# Altium PCB PCB1.PcbDoc (part 1 of 2) (continued)
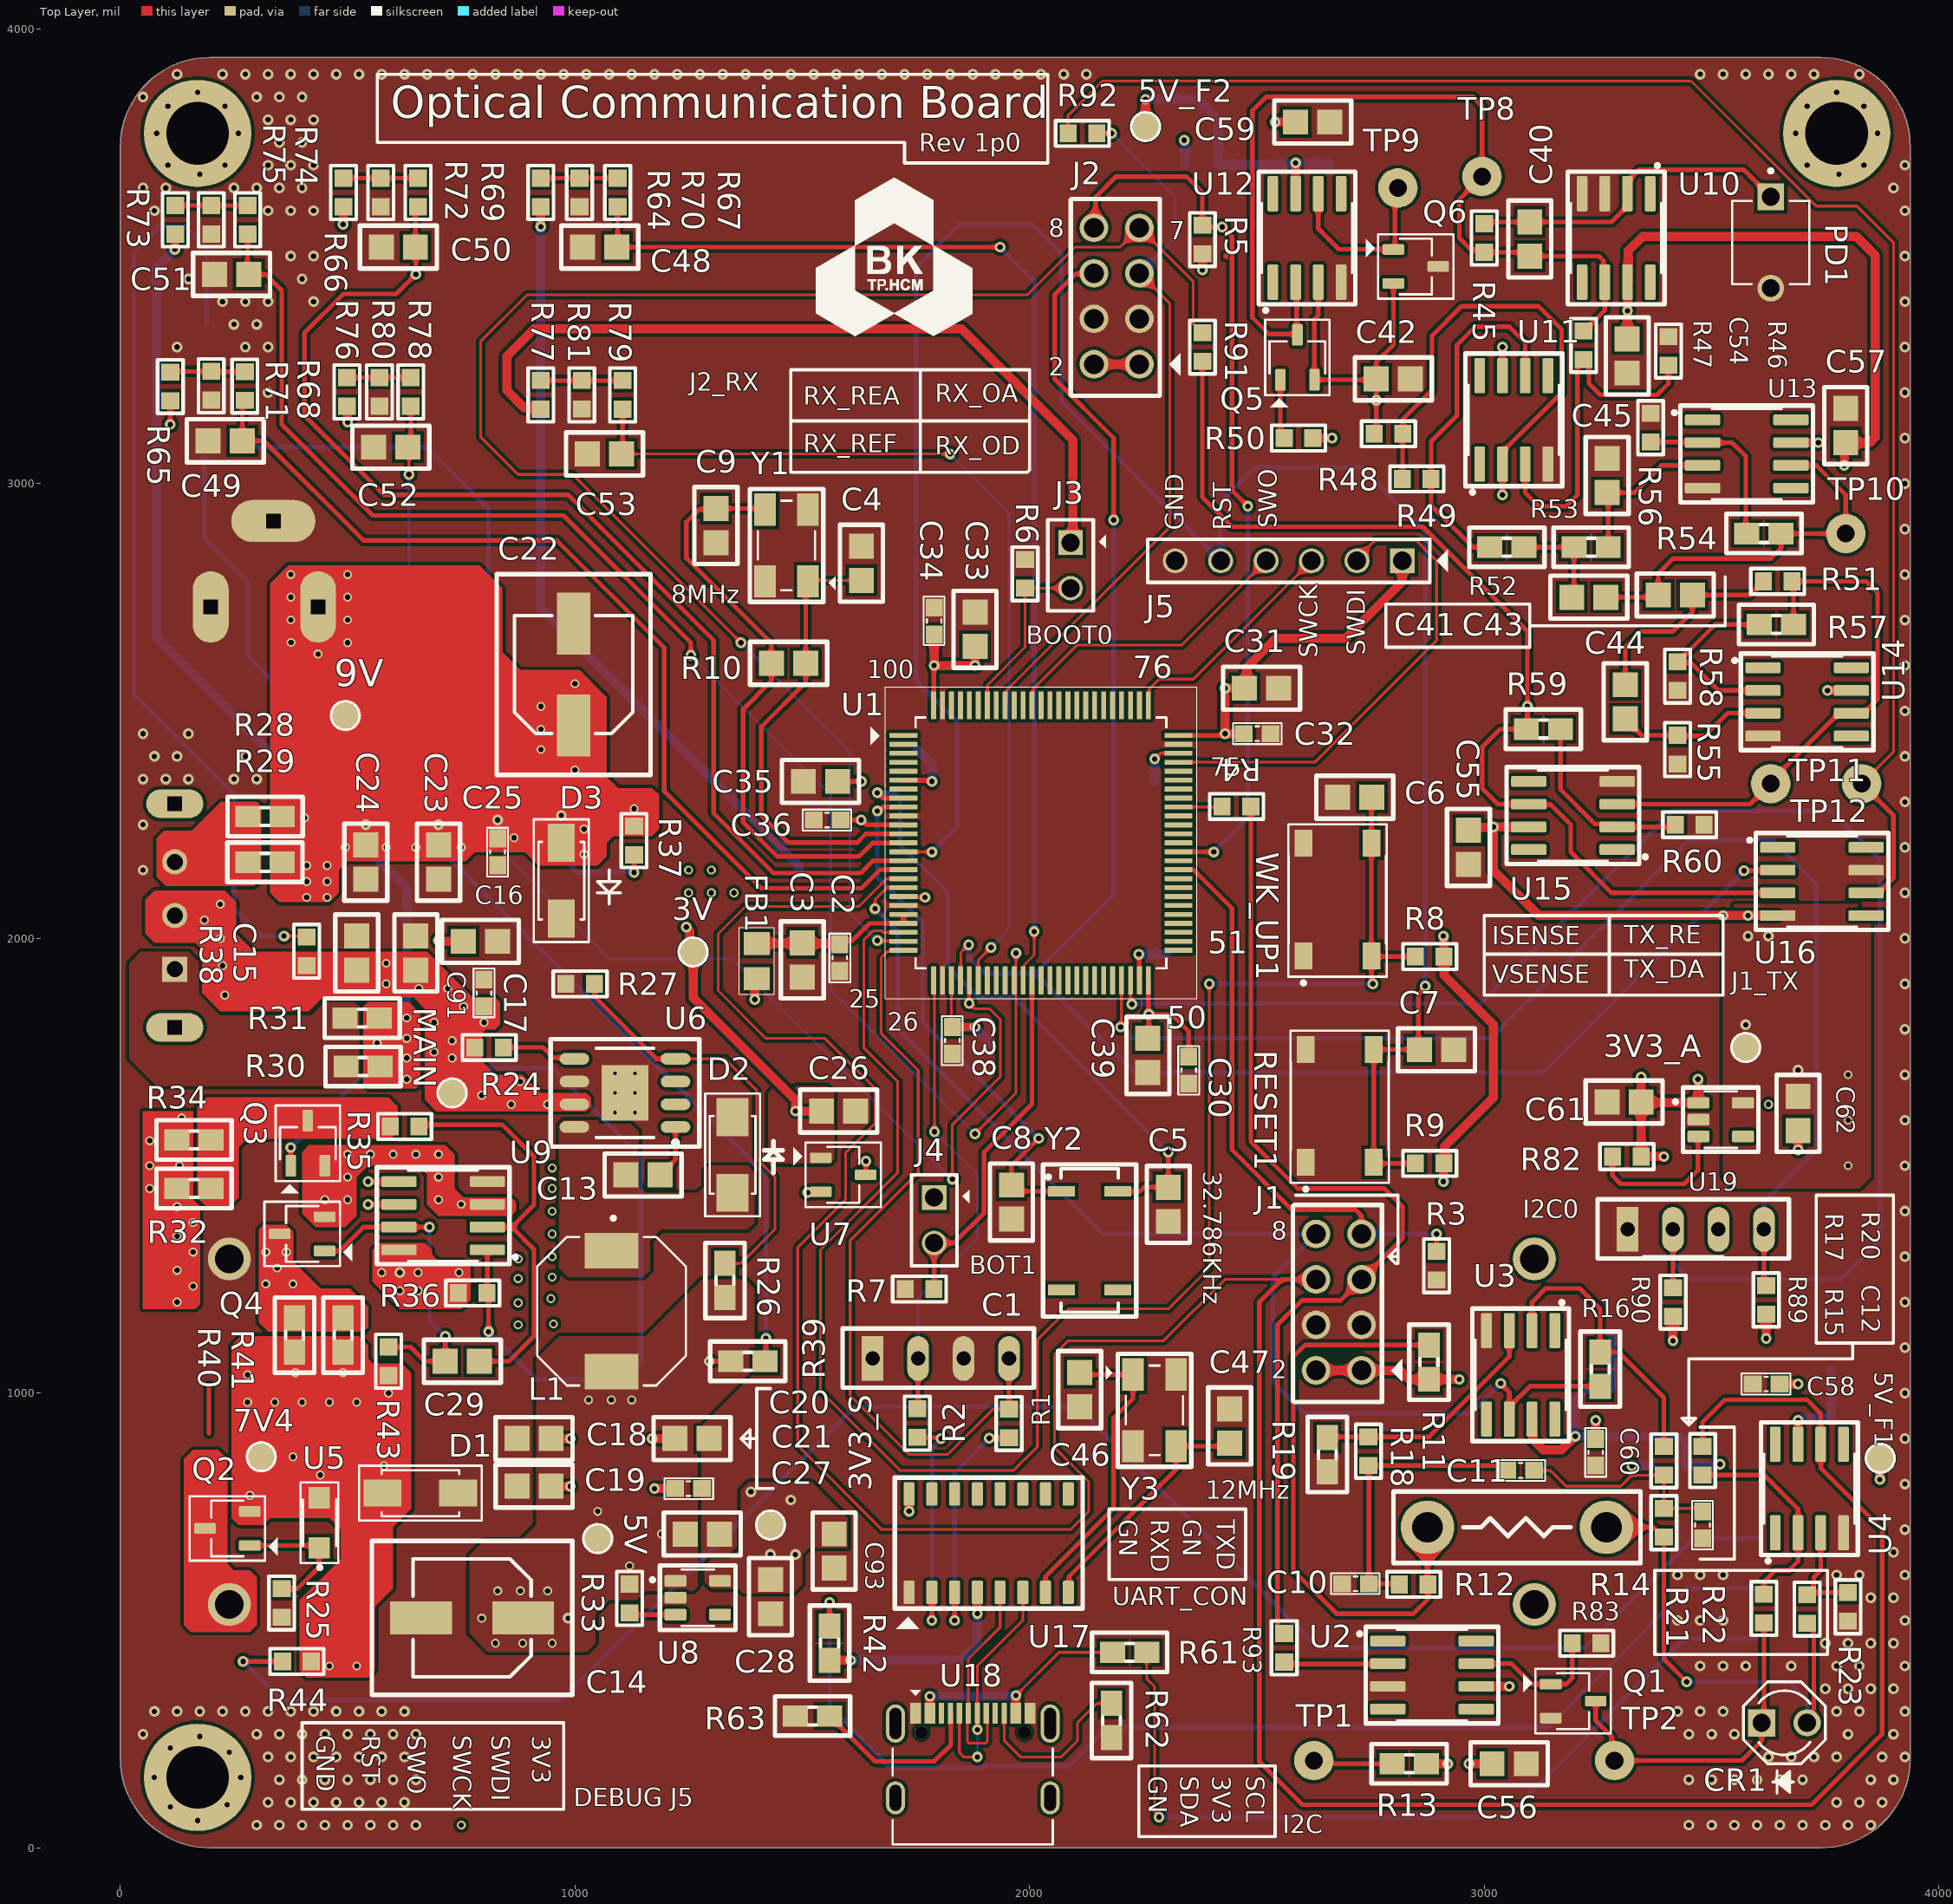
[diagram p0: Top Layer view]
## Components (designator, comment, footprint, x,y, rotation, side; value= is the part's Value field where it differs from the comment)
3V "TEST_POINT" Test_point 1260,1970 r90 top value=N/A
3V3_A "TEST_POINT" Test_point 3575,1760 r90 top value=N/A
3V3_S "TEST_POINT" Test_point 1430,710 r90 top value=N/A
5V "TEST_POINT" Test_point 1050,680 r90 top value=N/A
5V_F1 "TEST_POINT" Test_point 3870.85,856.69 r90 top value=N/A
5V_F2 "TEST_POINT" Test_point 2255,3785 r90 top value=N/A
7V4 "TEST_POINT" Test_point 310,860 r0 top value=N/A
9V "TEST_POINT" Test_point 495,2490 r0 top value=N/A
BAT1 "Dual_Battery_Case" Dual_BAT_PCB 1673.87,918.08 r0 bottom value=N/A
C1 "CONNECTOR_4" CON-4 1654.65,1075.89 r90 top value=CON-4
C2 "10uF" "CAPCER 0603 SMD" 1582.5,1957.5 r270 top
C3 "1uF" "CAPCER 0805 SMD" 1500,1952.4 r270 top
C4 "22uF" "CAPCER 0805 SMD" 1630,2824.7 r270 top value=22pF
C5 "12pF" "CAPCER 0805 SMD" 2305,1415 r270 top
C6 "0.1uF" "CAPCER 0805 SMD" 2715.11,2310.07 r0 top
C7 "0.1uF" "CAPCER 0805 SMD" 2895,1755 r180 top
C8 "12pF" "CAPCER 0805 SMD" 1960,1420 r270 top
C9 "22uF" "CAPCER 0805 SMD" 1310,2907.6 r90 top value=22pF
C10 "2.2uF" "CAPCER 0603 SMD" 2716.78,580.83 r180 top
C11 "2.2uF" "CAPCER 0603 SMD" 3080,830 r0 top
C12 "2.2uF" "CAPCER 0603 SMD" 3480,710 r270 top
C13 "0.01uF" "CAPCER 0805 SMD" 1149.96,1479.65 r180 top
C14 "330uF" "CAP ALU 6377" 773.88,505.71 r180 top
C15 "0.1uF" "CAPCER 0805 SMD" 520,1967.6 r90 top
C16 "22uF" "CAPCER 0805 SMD" 791.89,1993.35 r0 top
C17 "10uF" "CAPCER 0603 SMD" 800,1879.53 r90 top
C18 "0.1uF" "CAPCER 0805 SMD" 910,900 r180 top
C19 "0.1uF" "CAPCER 0805 SMD" 910,795.51 r180 top
C20 "22uF" "CAPCER 0805 SMD" 1257.6,900 r0 top
C21 "10uF" "CAPCER 0603 SMD" 1250,790 r0 top
C22 "330uF" "CAP ALU 6377" 997,2580 r90 top
C23 "0.1uF" "CAPCER 0805 SMD" 700,2167.6 r270 top
C24 "1uF" "CAPCER 0805 SMD" 540,2167.6 r270 top
C25 "10uF" "CAPCER 0603 SMD" 830,2190 r270 top
C26 "1uF" "CAPCER 0805 SMD" 1580,1620 r0 top
C27 "1uF" "CAPCER 0805 SMD" 1280,690 r0 top
C28 "1uF" "CAPCER 0805 SMD" 1430,552.4 r270 top
C29 "0.1uF" "CAPCER 0805 SMD" 752.4,1070 r180 top
C30 "10uF" "CAPCER 0603 SMD" 2350,1710 r270 top
C31 "1uF" "CAPCER 0805 SMD" 2510,2550 r0 top
C32 "10uF" "CAPCER 0603 SMD" 2500.47,2450 r0 top
C33 "1uF" "CAPCER 0805 SMD" 1880,2679.53 r90 top
C34 "10uF" "CAPCER 0603 SMD" 1790,2697.6 r90 top
C35 "1uF" "CAPCER 0805 SMD" 1540,2345 r180 top
C36 "10uF" "CAPCER 0603 SMD" 1555,2260 r180 top
C37 "1uF" "CAPCER 0805 SMD" 1953.04,1768.28 r0 bottom
C38 "10uF" "CAPCER 0603 SMD" 1830,1775.47 r270 top
C39 "1uF" "CAPCER 0805 SMD" 2260,1742.6 r270 top
C40 "1pF" "CAPCER 0805 SMD" 3100,3537.6 r270 top
C41 "0.1uF" "CAPCER 0805 SMD" 3230,2750 r0 top
C42 "Tụ Gốm 0603 10nF 50V" "CAPCER 0805 SMD" 2800,3230 r0 top value=10nF
C43 "0.1uF" "CAPCER 0805 SMD" 3420,2755 r0 top
C44 "0.1uF" "CAPCER 0805 SMD" 3310,2520 r270 top
C45 "0.1uF" "CAPCER 0805 SMD" 3270,3017.6 r270 top
C46 "22pF" "CAPCER 0805 SMD" 2110,1007.6 r90 top
C47 "22pF" "CAPCER 0805 SMD" 2440,927.6 r270 top
C48 "Tụ Gốm 0603 10nF 50V" "CAPCER 0805 SMD" 1054.63,3519.76 r180 top value=10nF
C49 "Tụ Gốm 0603 10nF 50V" "CAPCER 0805 SMD" 230.92,3094 r180 top value=10nF
C50 "Tụ Gốm 0603 10nF 50V" "CAPCER 0805 SMD" 611.58,3519.76 r180 top value=10nF
C51 "Tụ Gốm 0603 10nF 50V" "CAPCER 0805 SMD" 244.91,3459.76 r180 top value=10nF
C52 "Tụ Gốm 0603 10nF 50V" "CAPCER 0805 SMD" 595,3080 r180 top value=10nF
C53 "Tụ Gốm 0603 10nF 50V" "CAPCER 0805 SMD" 1065,3065 r180 top value=10nF
C54 "1uF" "CAPCER 0805 SMD" 3314.36,3280.61 r270 top
C55 "1uF" "CAPCER 0805 SMD" 2965,2200 r270 top
C56 "1uF" "CAPCER 0805 SMD" 3054.72,185 r0 top
C57 "1uF" "CAPCER 0805 SMD" 3795,3127.6 r90 top
C58 "10uF" "CAPCER 0603 SMD" 3620,1020 r180 top value=1uF
C59 "1uF" "CAPCER 0805 SMD" 2622.6,3795 r0 top
C60 "10uF" "CAPCER 0603 SMD" 3245,870 r270 top value=1uF
C61 "1uF" "CAPCER 0805 SMD" 3307.4,1640 r180 top
C62 "1uF" "CAPCER 0805 SMD" 3690,1615 r270 top
C70 "1uF" "CAPCER 0805 SMD" 1715,2415 r180 bottom
C80 "2.2uF" "CAPCER 0603 SMD" 2330,1965 r180 bottom
C81 "2.2uF" "CAPCER 0603 SMD" 2275,2315 r90 bottom
C85 "10uF" "CAPCER 0805 SMD" 3802.4,945 r0 bottom
C86 "0.1uF" "CAPCER 0805 SMD" 3800,1050 r0 bottom
C87 "10uF" "CAPCER 0805 SMD" 3320,1015 r0 bottom
C88 "0.1uF" "CAPCER 0805 SMD" 3320,1119.49 r0 bottom
C89 "10uF" "CAPCER 0805 SMD" 2660,3665 r270 bottom
C90 "0.1uF" "CAPCER 0805 SMD" 2520,3665 r270 bottom
C91 "1uF" "CAPCER 0805 SMD" 650,1967.6 r90 top
C93 "0.1uF" "CAPCER 0805 SMD" 1570,652.6 r270 top
CR1 "LED IR 940nm" TSAL6100 3610,275 r0 top value=940nm
D1 "SMAJ12A" DO-214AC#1 660,780 r180 top value="12V 19.9V"
D2 "SS54" DO-214AC#2 1346.69,1523.63 r270 top value="SS54 - 5A"
D3 "SMAJ12A" DO-214AC#1 970,2126.73 r90 top value="12V 19.9V"
FB1 "120R@100kHz" "FB 0805" 1400,1950 r90 top
FB2 "120R@100kHz" "FB 0805" 3405,840 r0 bottom
FB3 "120R@100kHz" "FB 0805" 2380,3700 r0 bottom
I2C0 "CONNECTOR_4" CON-4 3315,1360 r90 top value=CON-4
J1 "HD_2X4_M_V" HD_2X4_2P54_M_V 2730,1050 r90 top value=2.54mm
J2 "HD_2X4_M_V" HD_2X4_2P54_M_V 2241.5,3262.29 r90 top value=2.54mm
J3 "CONNECTOR_2" CON-2 2090,2870 r180 top value=CON-2
J4 "CONNECTOR_2" CON-2 1790,1430 r180 top value=CON-2
J5 "CONNECTOR_6" CON-6 2820,2830 r180 top value=CON-6
J6 "9V 1A" PW_JACK_DC_5525 336.76,2728.69 r0 bottom
L1 "10uH" IND_8D43 1080.53,1180.1 r270 top
MAIN "TEST_POINT" Test_point 730,1660 r90 top value=N/A
PD1 "BPW34" DIP-2 3630,3530 r270 top
PW_3V3_S0 "LED_RED" "LED 0805 SMD" 3635,570 r180 bottom value=3.3V
PW_5VS0 "LED_RED" "LED 0805 SMD" 185,3115 r270 bottom value=5V
PW_IN0 "LED_RED" "LED 0805 SMD" 300,3115.43 r270 bottom value=5V
PW_IN_BU0 "LED_RED" "LED 0805 SMD" 3635,680 r180 bottom value=VBAT
PW_MAIN0 "LED_RED" "LED 0805 SMD" 190,3315.43 r90 bottom value=5V
PW_USB0 "LED_RED" "LED 0805 SMD" 3634.57,460 r180 bottom value=5V
Q1 "NMOS" SOT23-3 3195.48,322.62 r0 top value=LN2302LT1G
Q2 "AO3407A" SOT23-3 235.59,702.4 r180 top
Q3 "AO3407A" SOT23-3 412.6,1549.41 r90 top
Q4 "AO3407A" SOT23-3 400,1350 r180 top
Q5 "SS8050" SOT23-3 2589.02,3277.5 r90 top
Q6 "SS8550" SOT23-3 2849.41,3477.4 r0 top
R1 "0R" "RESC 0603(1608) SMD" 1954.64,933.15 r270 top value=0KR
R2 "0R" "RESC 0603(1608) SMD" 1752.84,933.89 r270 top value=0KR
R3 "12KR" "RESC 0603(1608) SMD" 2895,1280 r90 top
R4 "22R" "RESC 0603(1608) SMD" 2455,2290 r0 top
R5 "12KR" "RESC 0603(1608) SMD" 2380,3536.5 r90 top
R6 "10KR" "RESC 0603(1608) SMD" 1990,2801.5 r270 top
R7 "10KR" "RESC 0603(1608) SMD" 1757.72,1228.89 r0 top
R8 "10KR" "RESC 0603(1608) SMD" 2880,1960 r0 top
R9 "10KR" "RESC 0603(1608) SMD" 2880,1505 r0 top
R10 "Điện Trở 1 MOhm 0805 1%" "CAPCER 0805 SMD" 1469.95,2604.95 r0 top value=1MR
R11 "36R" "RESC 0805 SMD" 2878.33,1068.1 r270 top
R12 "10R" "RESC 0603(1608) SMD" 2844.78,579.26 r180 top
R13 "30.9KR" "RESC 0805 SMD" 2834.8,185 r180 top
R14 "5mR" RS_P10_D1P5 3268.7,705 r180 top
R15 "10R" "RESC 0603(1608) SMD" 3395,715 r90 top
R16 "560KR" "RESC 0805 SMD" 3255,1052.6 r270 top
R17 "10KR" "RESC 0603(1608) SMD" 3395,851 r90 top
R18 "10KR" "RESC 0603(1608) SMD" 2745.03,872.16 r90 top
R19 "560KR" "RESC 0805 SMD" 2654.72,864.67 r90 top
R20 "100KR" "RESC 0603(1608) SMD" 3480,851.5 r90 top
R21 "100KR" "RESC 0603(1608) SMD" 3615,526.5 r90 top
R22 "100KR" "RESC 0603(1608) SMD" 3710,525 r90 top
R23 "100KR" "RESC 0603(1608) SMD" 3800,530 r90 top
R24 "10KR" "RESC 0603(1608) SMD" 811.5,1760 r0 top
R25 "10KR" "RESC 0603(1608) SMD" 355,538.5 r90 top
R26 "30.9KR" "RESC 0805 SMD" 1330,1247.6 r270 top
R27 "10KR" "RESC 0603(1608) SMD" 1011.5,1900 r0 top
R28 "0R" "RESC 0805 SMD" 318.48,2267.8 r180 top
R29 "0R" "RESC 0805 SMD" 318.22,2167.19 r180 top
R30 "0R" "RESC 0805 SMD" 534.19,1718.03 r180 top
R31 "0R" "RESC 0805 SMD" 532.16,1824.65 r180 top
R32 "0R" "RESC 0805 SMD" 162.4,1450 r0 top
R33 "10KR" "RESC 0603(1608) SMD" 1120,548.5 r90 top
R34 "0R" "RESC 0805 SMD" 162.4,1556.61 r0 top
R35 "1KR" "RESC 0603(1608) SMD" 625.59,1586.37 r180 top
R36 "10KR" "RESC 0603(1608) SMD" 775,1220 r180 top
R37 "680R" "RESC 0603(1608) SMD" 1130,2215 r270 top
R38 "680R" "RESC 0603(1608) SMD" 410,1971.5 r90 top
R39 "330R" "RESC 0805 SMD" 1380,1070 r0 top
R40 "0R" "RESC 0805 SMD" 383.39,1127.6 r90 top
R41 "0R" "RESC 0805 SMD" 490,1127.6 r90 top
R42 "330R" "RESC 0805 SMD" 1560,450 r90 top
R43 "10KR" "RESC 0603(1608) SMD" 590,1070 r270 top
R44 "680R" "RESC 0603(1608) SMD" 388.5,410 r180 top
R45 "470KR" "RESC 0603(1608) SMD" 3000,3540 r270 top
R46 "100KR" "RESC 0603(1608) SMD" 3405,3291.5 r90 top
R47 "100KR" "RESC 0603(1608) SMD" 3218.4,3303.77 r270 top
R48 "100KR" "RESC 0603(1608) SMD" 2789.25,3109.25 r0 top
R49 "100KR" "RESC 0603(1608) SMD" 2851.5,3010 r0 top
R50 "10KR" "RESC 0603(1608) SMD" 2591.5,3100 r180 top
R51 "15KR" "RESC 0603(1608) SMD" 3645,2785 r0 top
R52 "68R" "RESC 0805 SMD" 3049.65,2860 r0 top
R53 "68R" "RESC 0805 SMD" 3235,2860 r0 top
R54 "5.6KR" "RESC 0805 SMD" 3615,2890 r0 top
R55 "15KR" "RESC 0603(1608) SMD" 3425,2415 r90 top
R56 "10KR" "RESC 0603(1608) SMD" 3365.67,3122.96 r270 top
R57 "5.6KR" "RESC 0805 SMD" 3642.4,2690 r0 top
R58 "10KR" "RESC 0603(1608) SMD" 3425,2576.5 r90 top
R59 "560KR" "RESC 0805 SMD" 3130,2460 r180 top
R60 "100KR" "RESC 0603(1608) SMD" 3451.5,2250 r180 top
R61 "330R" "RESC 0805 SMD" 2220,430 r0 top
R62 "5.1KR" "RESC 0805 SMD" 2180,280 r90 top
R63 "5.1KR" "RESC 0805 SMD" 1522.4,290 r0 top
R64 "10KR" "RESC 0603(1608) SMD" 925,3640 r270 top
R65 "22KR" "RESC 0603(1608) SMD" 110.11,3213.33 r270 top
R66 "22KR" "RESC 0603(1608) SMD" 491,3640 r270 top
R67 "100R" "RESC 0603(1608) SMD" 1093.86,3640 r270 top
R68 "100R" "RESC 0603(1608) SMD" 274.01,3214.24 r270 top
R69 "100R" "RESC 0603(1608) SMD" 655,3640 r270 top
R70 "20KR" "RESC 0603(1608) SMD" 1010,3640 r90 top
R71 "10KR" "RESC 0603(1608) SMD" 200,3215 r90 top
R72 "10KR" "RESC 0603(1608) SMD" 573,3640 r90 top
R73 "22KR" "RESC 0603(1608) SMD" 121,3580 r270 top
R74 "100R" "RESC 0603(1608) SMD" 280,3580 r270 top
R75 "10KR" "RESC 0603(1608) SMD" 200,3580 r90 top
R76 "10KR" "RESC 0603(1608) SMD" 498.5,3201.5 r270 top
R77 "10KR" "RESC 0603(1608) SMD" 925,3195 r270 top
R78 "100R" "RESC 0603(1608) SMD" 639,3201.5 r270 top
R79 "100R" "RESC 0603(1608) SMD" 1105,3195 r270 top
R80 "10KR" "RESC 0603(1608) SMD" 570,3201.5 r90 top
R81 "20KR" "RESC 0603(1608) SMD" 1015,3195 r90 top
R82 "10KR" "RESC 0603(1608) SMD" 3313.5,1520 r0 top
R83 "10KR" "RESC 0603(1608) SMD" 3225,450 r180 top
R86 "0R-dni" "RESC 0603(1608) SMD" 2790,3110 r180 bottom value=0KR
R89 "10KR" "RESC 0603(1608) SMD" 3620,1205 r270 top
R90 "10KR" "RESC 0603(1608) SMD" 3415,1200 r270 top
R91 "0R" "RESC 0603(1608) SMD" 2380,3300 r90 top value=0KR
R92 "0R" "RESC 0603(1608) SMD" 2116.06,3769.87 r0 top value=0KR
R93 "0R" "RESC 0603(1608) SMD" 2560,440 r90 top value=0KR
RESET1 "BUTTON" BUTTON_SMD 2683.13,1631.46 r90 top value=N/A
SW1 "SW 2A" SLIDE-SW 120,2050 r90 bottom value=SW-2A
TP1 "TEST POINT" TP_THT_1P0 2625,191.94 r0 top value=TP
TP2 "TEST POINT" TP_THT_1P0 3286.42,191.94 r0 top value=TP
TP8 "TEST POINT" TP_THT_1P0 2995,3675 r90 top value=TP
TP9 "TEST POINT" TP_THT_1P0 2810,3650 r90 top value=TP
TP10 "TEST POINT" TP_THT_1P0 3795,2890 r90 top value=TP
TP11 "TEST POINT" TP_THT_1P0 3630,2340 r180 top value=TP
TP12 "TEST POINT" TP_THT_1P0 3830,2340 r90 top value=TP
U1 "STM32F407VET6" 100LQFP 2030,2190 r0 top value=N/A
U2 "TC4427AEOA" 8-SOIC-OPA 2885,380 r0 top
U3 "OPA188AID" 8-SOIC-OPA 3080,1040 r270 top
U4 "OPA188AID" 8-SOIC-OPA 3715,790 r90 top
U5 "BZT52H" SOD-123F 437.69,714.7 r90 top value=12V
U6 "TPS5430DDAR" 8-SOIC 1110,1660 r180 top value=TPS5430DDR
U7 "BAT54C" SOT23-3 1590,1480 r0 top
U8 "RT9013" SOT-23-5 1270,550 r0 top
U9 "LM393DT" 8-SOIC-OPA 710,1390 r180 top
U10 "OPA380AID" 8-SOIC-OPA 3290,3540 r270 top
U11 "OPA350UA" 8-SOIC-OPA 3065,3140 r90 top
U12 "OPA188AID" 8-SOIC-OPA 2610,3540 r90 top value=OPA188
U13 "OPA350UA" 8-SOIC-OPA 3577.24,3065 r0 top
U14 "OPA350UA" 8-SOIC-OPA 3710,2520 r0 top
U15 "OPA350UA" 8-SOIC-OPA 3195,2270 r180 top
U16 "OPA350UA" 8-SOIC-OPA 3742.76,2125 r0 top
U17 "CH340G" SOP-16 1910,670 r90 top
U18 "USB_TYPE_C" TYPEC-16POS 1875,110 r0 top value=USB_C
U19 "RT9013" SOT-23-5 3520,1601.22 r0 top
VBAT1 "HOL CR2032" "HOLDER BAT" 913.94,2141.39 r180 bottom value="CR2032 3V"
WK_UP1 "BUTTON" BUTTON_SMD 2678,2085 r90 top value=N/A
Y1 "XTAL_8Mhz" XTAL_5032 1465.26,2863.83 r180 top value=8MHZ
Y2 "XTAL_32.786K" 4-SOJ 2132.01,1335.47 r0 top value=32.7680KHZ
Y3 "XTAL_12Mhz" XTAL_5032 2274.74,962.12 r0 top value=12MHZ

## Footprints (in the part's own frame and the unit in brackets; to place one, negate y for a bottom-side part, rotate by r counter-clockwise, add the part's x,y. Pads: shape width x height; smd on the part's side, far side on the other; paste and mask are expansions set on the pad)
4-SOJ [mm]
  rect 1.5x0.6 smd: 1(-1.575,2.75) 2(-1.575,-2.75) 3(1.575,-2.75) 4(1.575,2.75)
  silkscreen extent -2.6,-4.25 2.6,4.25, body extent -1.85,-4 1.85,4, height 2.54
8-SOIC [mm] "SOIC, 8-Leads, Body 4.90x3.90mm, Pitch 1.27mm, Thermal Pad 3.10x2.60mm, IPC Low Density"
  oval 1.65x0.65 smd: 1(-2.825,1.905) 2(-2.825,0.635) 3(-2.825,-0.635) 4(-2.825,-1.905) 5(2.825,-1.905) 6(2.825,-0.635) 7(2.825,0.635) 8(2.825,1.905)
  rect 2.6x3.1 smd: 9(0,0)
  silkscreen extent -4.15,-3 4.15,3, body extent -3,-2.5 3,2.5, height 1.7
8-SOIC-OPA [mm]
  rrect25% 1.97x0.6 smd: 1(-2.47,1.905) 2(-2.47,0.635) 3(-2.47,-0.635) 4(-2.47,-1.905) 5(2.47,-1.905) 6(2.47,-0.635) 7(2.47,0.635) 8(2.47,1.905)
  silkscreen extent -4.14,-2.7 3.7,2.7, body extent -3,-2.45 3,2.45, height 1.75
100LQFP [mm]
  rrect25% 1.56x0.28 smd: 1(-7.807,6.508) 2(-7.807,6.008) 3(-7.807,5.508) 4(-7.807,5.008) 5(-7.807,4.508) 6(-7.807,4.008) 7(-7.807,3.508) 8(-7.807,3.008) 9(-7.807,2.508) 10(-7.807,2.008) 11(-7.807,1.508) 12(-7.807,1.008) 13(-7.807,0.508) 14(-7.807,0.008) 15(-7.807,-0.492) 16(-7.807,-0.992) 17(-7.807,-1.492) 18(-7.807,-1.992) 19(-7.807,-2.492) 20(-7.807,-2.992) 21(-7.807,-3.492) 22(-7.807,-3.992) 23(-7.807,-4.492) 24(-7.807,-4.992) 25(-7.807,-5.492) 51(7.553,-5.492) 52(7.553,-4.992) 53(7.553,-4.492) 54(7.553,-3.992) 55(7.553,-3.492) 56(7.553,-2.992) 57(7.553,-2.492) 58(7.553,-1.992) 59(7.553,-1.492) 60(7.553,-0.992) 61(7.553,-0.492) 62(7.553,0.008) 63(7.553,0.508) 64(7.553,1.008) 65(7.553,1.508) 66(7.553,2.008) 67(7.553,2.508) 68(7.553,3.008) 69(7.553,3.508) 70(7.553,4.008) 71(7.553,4.508) 72(7.553,5.008) 73(7.553,5.508) 74(7.553,6.008) 75(7.553,6.508)
  rrect25% 0.28x1.56 smd: 26(-6.127,-7.172) 27(-5.627,-7.172) 28(-5.127,-7.172) 29(-4.627,-7.172) 30(-4.127,-7.172) 31(-3.627,-7.172) 32(-3.127,-7.172) 33(-2.627,-7.172) 34(-2.127,-7.172) 35(-1.627,-7.172) 36(-1.127,-7.172) 37(-0.627,-7.172) 38(-0.127,-7.172) 39(0.373,-7.172) 40(0.873,-7.172) 41(1.373,-7.172) 42(1.873,-7.172) 43(2.373,-7.172) 44(2.873,-7.172) 45(3.373,-7.172) 46(3.873,-7.172) 47(4.373,-7.172) 48(4.873,-7.172) 49(5.373,-7.172) 50(5.873,-7.172) 76(5.873,8.188) 77(5.373,8.188) 78(4.873,8.188) 79(4.373,8.188) 80(3.873,8.188) 81(3.373,8.188) 82(2.873,8.188) 83(2.373,8.188) 84(1.873,8.188) 85(1.373,8.188) 86(0.873,8.188) 87(0.373,8.188) 88(-0.127,8.188) 89(-0.627,8.188) 90(-1.127,8.188) 91(-1.627,8.188) 92(-2.127,8.188) 93(-2.627,8.188) 94(-3.127,8.188) 95(-3.627,8.188) 96(-4.127,8.188) 97(-4.627,8.188) 98(-5.127,8.188) 99(-5.627,8.188) 100(-6.127,8.188)
  silkscreen extent -9.65,-8.2 8.58,9.22, body extent -8.13,-7.49 7.87,8.51, height 1.6
BUTTON_SMD [mm]
  rect 1.5x1 smd: 1(-3.15,1.925) 1(3.15,1.925) 2(-3.15,-1.875) 2(3.15,-1.875)
  silkscreen extent -4.75,-2.72 4.2,2.78, body extent -3.3,-2.47 3.3,2.53, height 1.52
"CAP ALU 6377" [mm] "Aluminum Electrolytic Capacitor, Body 6.60x6.60x7.70mm, IPC Low Density"
  rect 3.45x1.85 smd: 1(-2.85,0) 2(2.85,0)
  silkscreen extent -5.6,-4.3 5.6,4.3, body extent -3.8,-3.3 3.8,3.3, height 7.7
"CAPCER 0603 SMD" [mm]
  rect 1x0.95 smd mask+0.076: 1(-0.75,0) 2(0.75,0)
  silkscreen extent -1.35,-0.58 1.37,0.58, body extent -0.8,-0.4 0.8,0.4, height 0.9
"CAPCER 0805 SMD" [mm]
  rect 1.4x1.4 smd: 1(-0.955,0) 2(0.955,0)
  silkscreen extent -2.15,-1.2 2.15,1.2, body extent -1,-0.64 1,0.64, height 1.25
CON-2 [mm]
  rect 1.37x1.37 hole 1.02: 01(0,0)
  round 1.37 hole 1.02: 02(0,2.54)
  silkscreen extent -1.97,-1.27 1.27,3.81, body extent -1.27,-1.27 1.27,3.81, height 10.62
CON-4 [mm]
  rect 2.5x1.2 hole 0.8: 1(0,0)
  oval 2.5x1.2 hole 0.8: 2(0,-2.54) 3(0,-5.08) 4(0,-7.62)
  round 1.016 on Top Overlay: ""(2.311,0.178)
  silkscreen extent -1.63,-9.02 1.68,1.68, body extent -1.14,-8.76 1.4,1.4, height 8.55
CON-6 [mm]
  rect 1.39x1.39 / inner round 1.39 / far side rect 1.39x1.39 hole 1.04: 01(0,0)
  round 1.39 hole 1.04: 02(2.54,0) 03(5.08,0) 04(7.62,0) 05(10.16,0) 06(12.7,0)
  silkscreen extent -2.54,-1.21 14.23,1.21, body extent -1.53,-1.21 14.22,1.21, height 8.51
DIP-2 [mm]
  round 1.5 hole 1: A(2.55,0)
  rect 1.5x1.5 / inner round 1.5 / far side rect 1.5x1.5 hole 1: C(-2.55,0)
  silkscreen extent -4.1,-2.15 2.32,2.15, body extent -3.22,-1.92 3.22,1.92, height 1.3
DO-214AC#1 [mm]
  rect 2.12x1.5 smd: 1(-2.115,0) 2(2.115,0)
  silkscreen extent -3.42,-1.53 3.42,1.53, body extent -2.57,-1.27 2.57,1.29, height 2.5
DO-214AC#2 [mm]
  rect 2.12x1.803 smd: 1(-2.115,0) 2(2.115,0)
  silkscreen extent -3.42,-1.53 3.42,2.79, body extent -2.57,-1.27 2.57,1.29, height 2.5
Dual_BAT_PCB [mm]
  round 2.4 hole 1.6: 1+(-36.422,9.726) 1-(36.478,9.726) 2+(-36.422,-9.574) 2-(36.478,-9.574)
  silkscreen extent -38.67,-20.03 39.03,20.18, body extent -38.56,-20.07 39.14,20.14, height 24.74
"FB 0805" [mm]
  rect 1.285x1.47 smd: 1(-0.973,0) 2(0.973,0)
  silkscreen extent -1.87,-0.98 1.87,0.98, body extent -1,-0.63 1,0.63, height 1.1
HD_2X4_2P54_M_V [mil]
  round 63 / inner round 60 / far side round 63 hole 43 paste-99999 mask+0: 1(0,0) 2(0,100) 3(100,0) 4(100,100) 5(200,0) 6(200,100) 7(300,0) 8(300,100)
  silkscreen extent -70,-90 364,151
"HOLDER BAT" [mm]
  rect 2.6x3.5 smd paste+0 mask+0.102: 1(-14.7,0) 2(14.7,0)
  silkscreen extent -14.25,-10 14.25,10, body extent -15.85,-10 15.85,10, height 5.3
IND_8D43 [mm]
  rect 2x3 smd: 1(-3.375,0) 2(3.375,0)
  silkscreen extent -5.3,-4.15 4.15,4.15, body extent -3.75,-4 4.25,4, height 4.5
"LED 0805 SMD" [mm]
  rect 1.1x1.45 smd: A(0.9,0) C(-0.9,0)
  silkscreen extent -2.1,-1 1.7,1, body extent -1,-0.63 1,0.63, height 0.7
PW_JACK_DC_5525 [mm]
  oval 4.7x2.35 hole 0.8 square: 2(0,-4.8)
  oval 2x4 hole 0.8 square: 3(-3.5,0) 4(2.5,0)
  silkscreen extent -11,-4.5 5.38,4.5, body extent -11.25,-5.08 3.05,4.32, height 11
"RESC 0603(1608) SMD" [mm] "Chip Resistor 0603"
  rect 0.95x1 smd: 1(-0.8,0) 2(0.8,0)
  silkscreen extent -1.5,-0.71 1.5,0.71, body extent -0.8,-0.4 0.8,0.4, height 0.45
"RESC 0805 SMD" [mm]
  rect 1.4x1.2 smd: 1(-0.955,0) 2(0.955,0)
  silkscreen extent -2.1,-1.1 2.1,1.1, body extent -1,-0.6 1,0.6, height 0.5
RS_P10_D1P5 [mm]
  round 3 hole 1.7: 1(0,0) 2(10,0)
  silkscreen extent -1.9,-2 11.9,2
SLIDE-SW [mm]
  rect 1.408x1.408 / inner round 1.408 / far side rect 1.408x1.408 hole 0.9 mask+0.102: 1(-3,0)
  round 1.408 hole 0.9 mask+0.102: 2(0,0) 3(3,0)
  oval 1.6x3.2 hole 0.8 square mask+0.102: SH1(-6.25,0) SH2(6.25,0)
  silkscreen extent -6.5,-2.8 6.5,3.81, body extent -6.5,-5.84 6.5,2.76, height 6.04
SOD-123F [mm]
  rect 1.2x1.2 smd paste-0.05: 1(-1.4,0) 2(1.4,0)
  silkscreen extent -2.6,-1.06 2.25,1.04, body extent -1.75,-0.8 1.75,0.8, height 1.2
SOP-16 [mm]
  rrect25% 1.31x0.62 smd: 1(-2.75,4.445) 2(-2.75,3.175) 3(-2.75,1.905) 4(-2.75,0.635) 5(-2.75,-0.635) 6(-2.75,-1.905) 7(-2.75,-3.175) 8(-2.75,-4.445) 9(2.75,-4.445) 10(2.75,-3.175) 11(2.75,-1.905) 12(2.75,-0.635) 13(2.75,0.635) 14(2.75,1.905) 15(2.75,3.175) 16(2.75,4.445)
  silkscreen extent -4.78,-5.25 3.65,5.25, body extent -3,-5 3,5, height 1.8
SOT23-3 [mm]
  rrect25% 1.21x0.59 smd: 1(-1.255,0.95) 2(-1.255,-0.95) 3(1.255,0)
  silkscreen extent -2.79,-1.8 2.11,1.8, body extent -1.52,-1.52 1.47,1.57, height 1.25
SOT-23-5 [mm]
  rrect25% 1.22x0.65 smd: 1(-1.245,0.94) 2(-1.245,0) 3(-1.245,-0.94) 4(1.245,-0.94) 5(1.245,0.94)
  silkscreen extent -2.63,-1.8 2.11,1.8, body extent -1.4,-1.45 1.4,1.45, height 1.3